# Altium PCB PROC054D_MMWCAS_RF_EVM_ASCII.PcbDoc (part 8 of 13)
Units mil, origin at the board's own origin, x right, y up, seen from the top; angles counter-clockwise.
Board outline 6299.21 x 5370.07 mil, 8 copper layers (L1 TOP, L2 GND, L3 SIGNAL 1, L4 GND, L5 SIGNAL 2, L6 SIGNAL 3, L7 GND, L8 BOTTOM), stack 53.5 mil thick; 775 components, 552 nets, 2648 pads, 7845 vias.
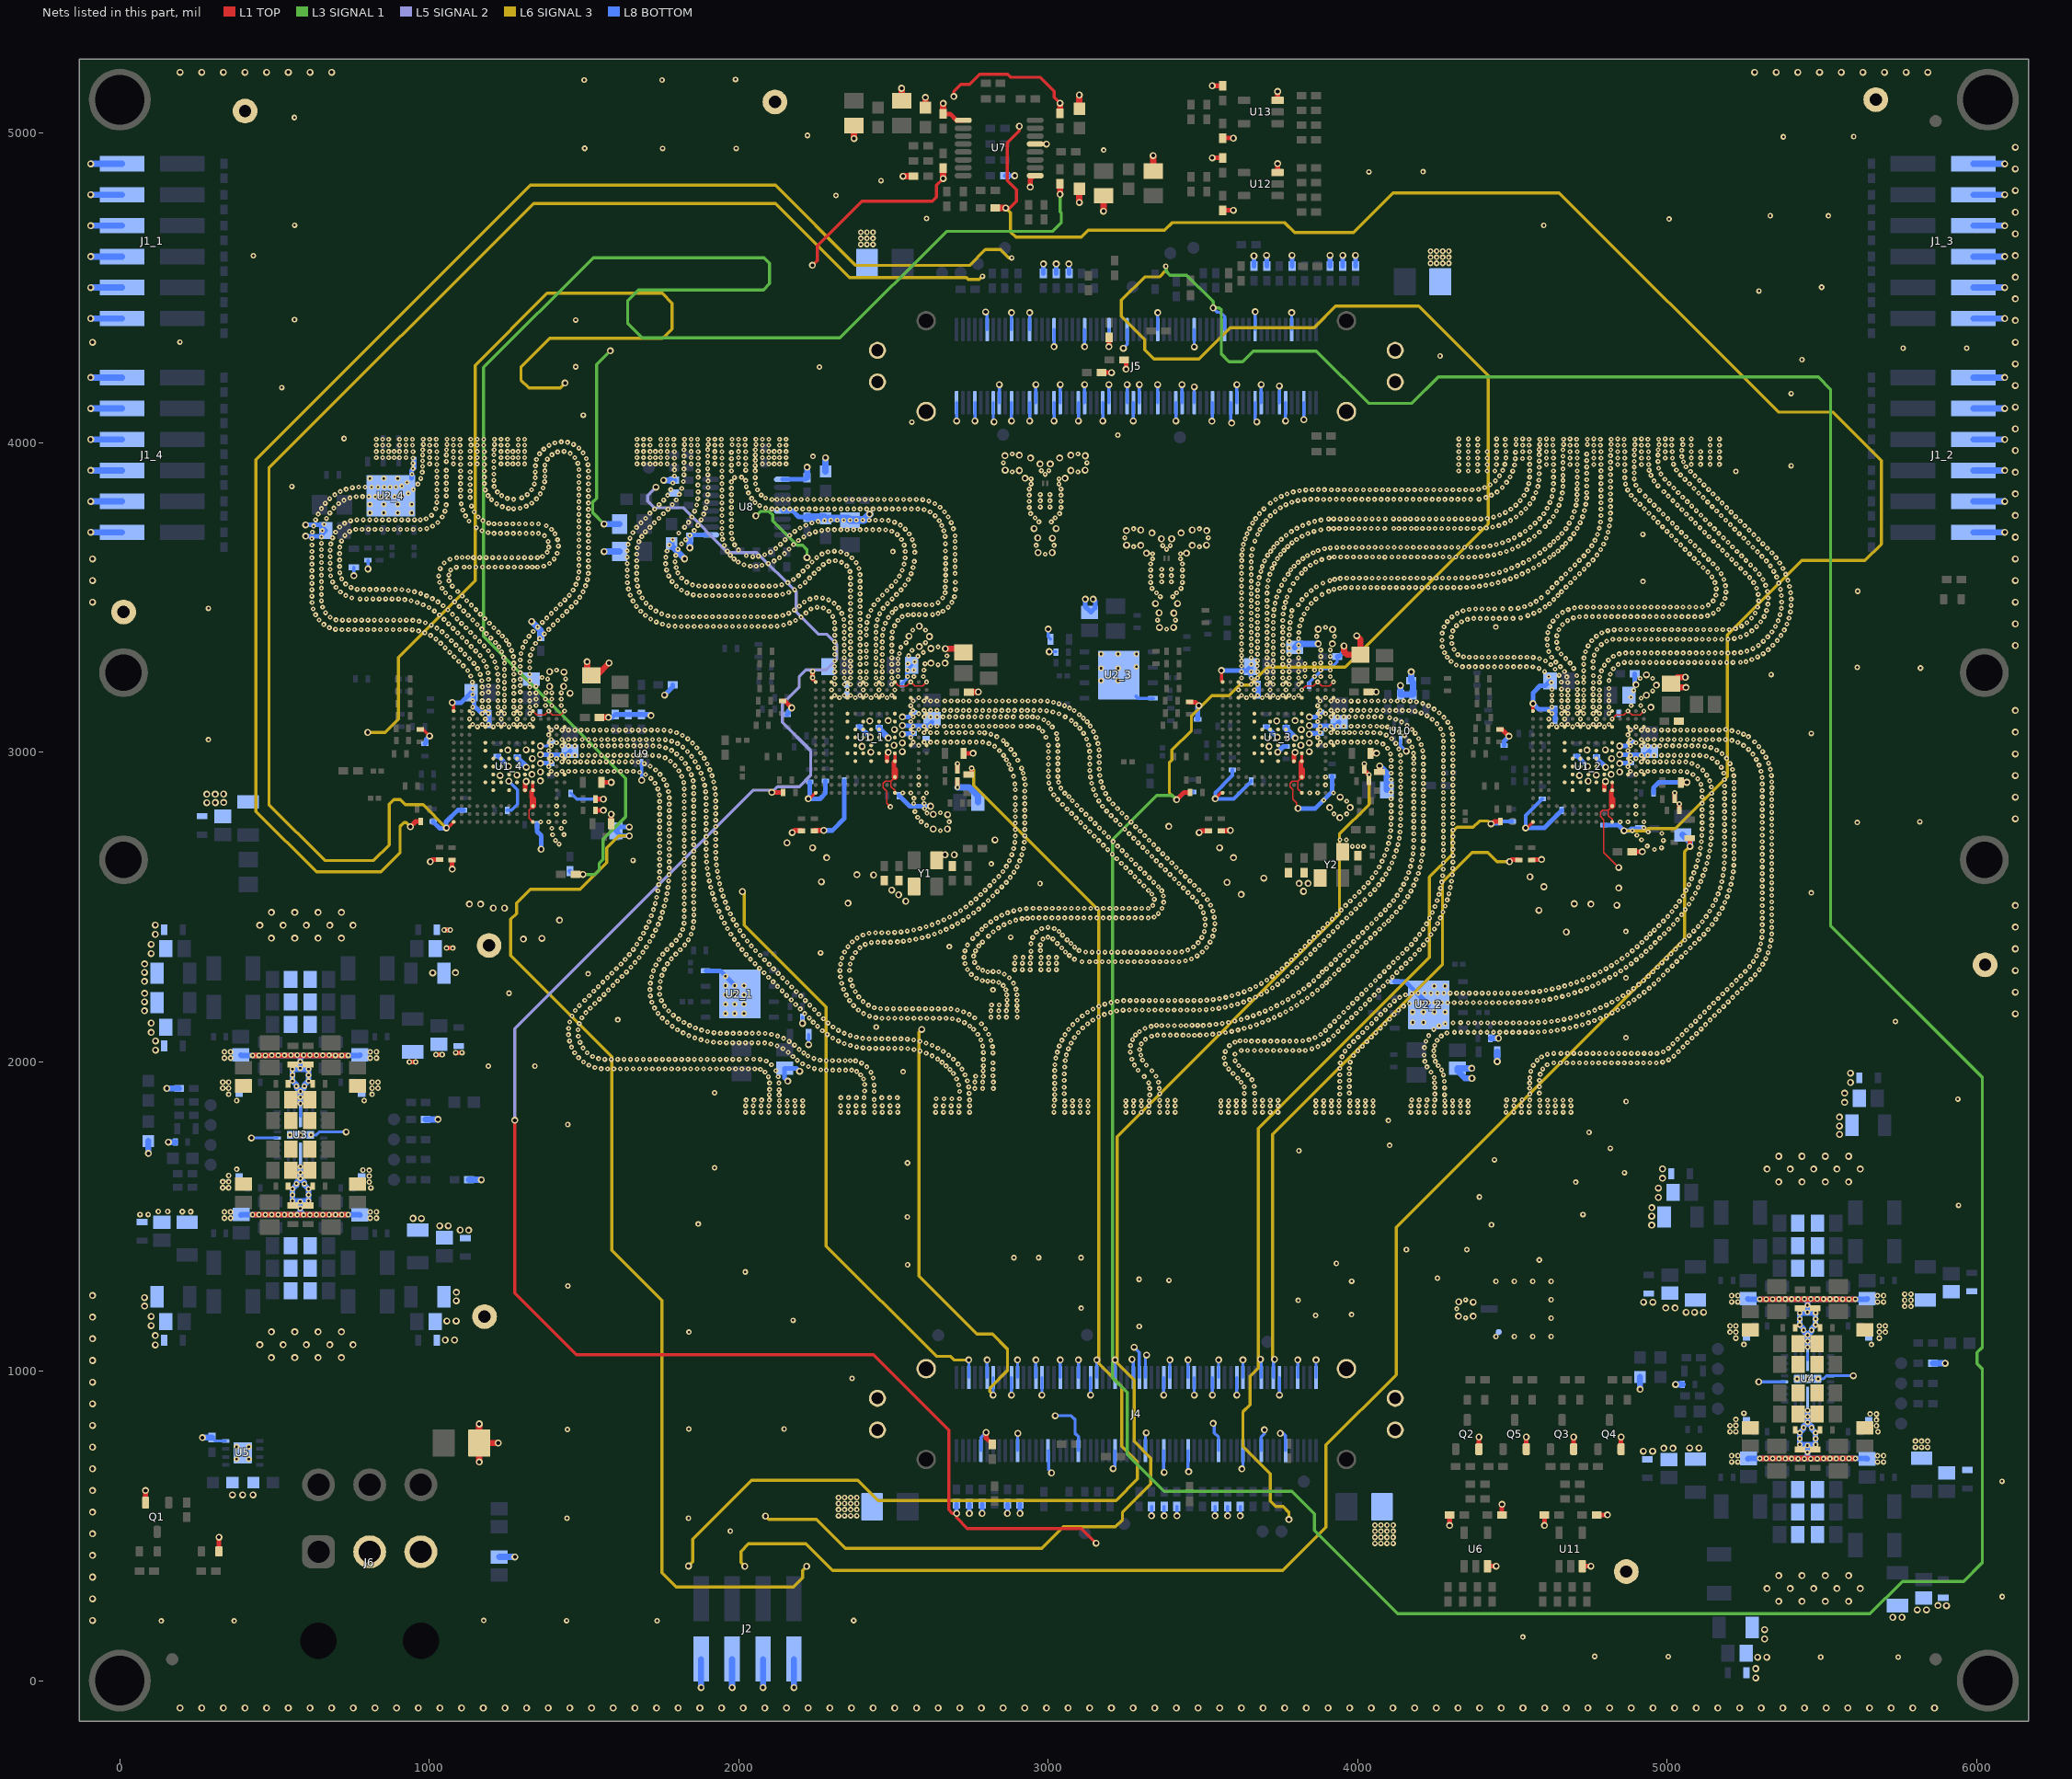
[diagram p14: the nets of this part, all layers, seen from the top]

## Via types
v1: diameter 15.74, hole 5.9, L1 TOP to L2 GND, tented both sides, 5522 vias
v2: diameter 22.4, hole 12.2, L1 TOP to L8 BOTTOM, tented both sides, 1522 vias
v3: diameter 18, hole 8, L1 TOP to L8 BOTTOM, tented both sides, 727 vias
v4: diameter 18, hole 7.87, L1 TOP to L8 BOTTOM, tented top, 50 vias
v5: diameter 24, hole 12, L1 TOP to L8 BOTTOM, tented both sides, 13 vias
v6: diameter 19.68, hole 7.87, L1 TOP to L8 BOTTOM, tented top, 10 vias
v7: diameter 15.74, hole 5.9, L1 TOP to L2 GND, tented top, 1 vias

## Nets (pads, with @x,y where several pads share a name; then routed paths per layer and width w, separated by ;. In a path a pad name is that pad's centre, name@x,y a point inside that pad or via, vN(x,y) a via of type N, cw(c..) or ccw(c..) an arc to the next point about the centre after c; other vN are vias at no path point) (continued)
GND: (continued)
  other v1: 4349.11,1172.28 4320.23,1201.17 4349.11,1230.06 2021.98,1836.34 2046.98,1836.34 2071.98,1836.34 2096.98,1836.34 2131.75,1836.34 2156.75,1836.34 2181.75,1836.34 2206.75,1836.34 2329.18,1836.34 2354.18,1836.34 2379.18,1836.34 2404.18,1836.34 2438.95,1836.34 2463.95,1836.34 2488.95,1836.34 2513.95,1836.34 2636.38,1836.34 2661.38,1836.34 2686.38,1836.34 2711.38,1836.34 2746.15,1836.34 3018.58,1836.34 3053.35,1836.34 3078.35,1836.34 3103.35,1836.34 3128.35,1836.34 3250.78,1836.34 3275.78,1836.34 3300.78,1836.34 3325.78,1836.34 3360.55,1836.34 3385.55,1836.34 3410.55,1836.34 3557.98,1836.34 3582.98,1836.34 3607.98,1836.34 3632.98,1836.34 3667.75,1836.34 3692.75,1836.34 3717.75,1836.34 3742.75,1836.34 3865.18,1836.34 3890.18,1836.34 3915.18,1836.34 3940.18,1836.34 3974.95,1836.34 3999.95,1836.34 4024.95,1836.34 4049.95,1836.34 4172.38,1836.34 4197.38,1836.34 4222.38,1836.34 4247.38,1836.34 4282.15,1836.34 4307.15,1836.34 4332.15,1836.34 4357.15,1836.34 4479.58,1836.34 4504.58,1836.34 4529.58,1836.34 4554.58,1836.34 4589.35,1836.34 4614.35,1836.34 4639.35,1836.34 4664.35,1836.34 4689.35,1836.34 2021.98,1857.01 2046.98,1857.01 2071.98,1857.01 2096.98,1857.01 2131.75,1857.01 2156.75,1857.01 2181.75,1857.01 2206.75,1857.01 2329.18,1857.01 2354.18,1857.01 2379.18,1857.01 2404.18,1857.01 2438.95,1857.01 2463.95,1857.01 2488.95,1857.01 2513.95,1857.01 2636.38,1857.01 2661.38,1857.01 2686.38,1857.01 2711.38,1857.01 2746.15,1857.01 3018.58,1857.01 3053.35,1857.01 3078.35,1857.01 3103.35,1857.01 3128.35,1857.01 3250.78,1857.01 3275.78,1857.01 3300.78,1857.01 3325.78,1857.01 3360.55,1857.01 3385.55,1857.01 3410.55,1857.01 3557.98,1857.01 3582.98,1857.01 3607.98,1857.01 3632.98,1857.01 3667.75,1857.01 3692.75,1857.01 3717.75,1857.01 3742.75,1857.01 3865.18,1857.01 3890.18,1857.01 3915.18,1857.01 3940.18,1857.01 3974.95,1857.01 3999.95,1857.01 4024.95,1857.01 4049.95,1857.01 4172.38,1857.01 4197.38,1857.01 4222.38,1857.01 4247.38,1857.01 4282.15,1857.01 4307.15,1857.01 4332.15,1857.01 4357.15,1857.01 4479.58,1857.01 4504.58,1857.01 4529.58,1857.01 4554.58,1857.01 4589.35,1857.01 4614.35,1857.01 4639.35,1857.01 4664.35,1857.01 4689.35,1857.01 2131.52,1874.05 2156.52,1874.05 2181.52,1874.05 2206.52,1874.05 3053.52,1874.05 3078.52,1874.05 3103.52,1874.05 3128.52,1874.05 3251.02,1873.55 3276.02,1873.55 3301.02,1873.55 3326.02,1873.55 3558.22,1873.55 3583.22,1873.55 3608.22,1873.55 3633.22,1873.55 3865.18,1873.55 3890.18,1873.55 3915.18,1873.55 3940.18,1873.55 3974.95,1873.55 3999.95,1873.55 4024.95,1873.55 4049.95,1873.55 4282.02,1873.55 4307.02,1873.55 4332.02,1873.55 4357.02,1873.55 3360.52,1875.05 3385.52,1875.05 3410.52,1875.05 3667.72,1875.05 3692.72,1875.05 3717.72,1875.05 3742.72,1875.05 4588.44,1875.48 4613.44,1875.48 4638.44,1875.48 4663.44,1875.48 4688.44,1875.48 2024.07,1875.88 2049.07,1875.88 2074.07,1875.88 2099.07,1875.88 2746,1876 3020.66,1875.94 4174.47,1876.36 4199.47,1876.36 4224.47,1876.36 4249.47,1876.36 4481.67,1876.48 4506.67,1876.48 4531.67,1876.48 4556.66,1876.12 2437.5,1877.63 2638.47,1879.93 2663.47,1879.93 2688.47,1879.93 2713.47,1879.94 2330.03,1883.3 2355.03,1883.3 2380.03,1883.3 2405.03,1883.3 2462.42,1883.3 2487.42,1883.3 2512.42,1883.3 2130.38,1892.3 3328.18,1892.34 2099,1893 3021.06,1893.43 4281,1893 3942.42,1895.05 4249.54,1895.11 4556.66,1895.14 3051.74,1896.3 3360.52,1895.72 2744.62,1897.27 3633.86,1897.29 3667.55,1897.85 3973.1,1898.3 4587.34,1898.3 2437.42,1903.97 2713.76,1903.82 2406.82,1905.33 2130.38,1908.97 2099.7,1910.17 3021.06,1911.1 2763.18,1913.14 2788.18,1913.14 2822.95,1913.14 3328.18,1913.01 3359.02,1913.17 4556,1914 4281,1915 3942.42,1915.72 4249.54,1915.78 3051.74,1916.97 2743.14,1917.89 3633.86,1917.96 3973.1,1918.97 4587.34,1918.97 3665.36,1920.35 2437.5,1923.97 2710.7,1924.26 2406.82,1926 3021.06,1929.77 2099.7,1930.84 2130.22,1931 3324.93,1931.36 4556,1931 4248.7,1932 2763.18,1933.81 2788.18,1933.81 2822.95,1933.81 3356.38,1933.67 3623.45,1933.7 3942.42,1936.39 4280.21,1936.44 2738.73,1938.08 3051.74,1939.64 3973.1,1939.64 4587.34,1939.64 3658.45,1941.4 2403.49,1943.7 2703.99,1943.81 2434.75,1946.58 3612.39,1946.91 4556.66,1947.48 4247.84,1948.23 3021.06,1950.44 2095.61,1950.94 2127.65,1951.51 3310.43,1951.87 2765.27,1952.87 2790.26,1952.68 3348.62,1952.83 2821.4,1954.43 2394.01,1957 2731.49,1957.44 3942.42,1957.06 4277.26,1956.9 3645.16,1957.52 4590.1,1959.41 3051.74,1960.31 3973.1,1960.31 2693.86,1961.83 3597.78,1961.52 2085,1966 2426.93,1965.71 4237.29,1966 2381,1968 4559.53,1968.76 2790,1970 3335.32,1970.36 2120.1,1970.75 3021.06,1971.11 3290.7,1971.97 3630.54,1972.14 2283.31,1972.59 2303.98,1972.59 2324.65,1972.59 2345.32,1972.59 2364.91,1972.59 4271.1,1973.15 2264.98,1973.68 2683.06,1974.35 2070,1975 2821.4,1975.1 2721.56,1975.57 3583.16,1976.14 4598.1,1976.05 1555.56,1977.19 1576.22,1976.72 1596.89,1976.72 1617.56,1976.72 1638.23,1976.72 1658.9,1976.72 1679.57,1976.72 1700.24,1976.72 1720.91,1976.72 1741.58,1976.72 1762.25,1976.72 1782.92,1976.72 1803.59,1976.72 1824.26,1976.72 1844.93,1976.72 1865.6,1976.72 1886.27,1976.72 1906.94,1976.72 1927.61,1976.72 1948.28,1976.72 1968.95,1976.72 1989.62,1976.72 2010.29,1976.72 2030.96,1976.72 2051.63,1976.72 2244.66,1977.48 3942.42,1977.73 3973.09,1977.72 1535.23,1980.91 3053.15,1982.35 2413.58,1983.1 4224.21,1982.8 2225.03,1983.96 2670.01,1986 2790.72,1986.61 3615.93,1986.75 4260.61,1987 1515.9,1988.23 3317.5,1988.18 4567.54,1987.81 3278.75,1988.83 2105.84,1989.84 3021.31,1989.95 4612.4,1989.95 2709.14,1992.09 3572.52,1991.76 2206.44,1992.98 2396.94,1995.36 2821.4,1995.77 3944.04,1995.88 4633.62,1995.66 4655.2,1995.66 4675.87,1995.66 4696.54,1995.66 4717.21,1995.66 4737.88,1995.66 4758.55,1995.66 4779.22,1995.66 4799.89,1995.66 4820.56,1995.66 4841.23,1995.66 4861.9,1995.66 4882.57,1995.66 4903.24,1995.66 4923.91,1995.66 4944.58,1995.66 4965.25,1995.67 2657.01,1998 3976.07,1998.17 4985.74,1998.41 1498.2,1998.91 4217.26,2000.65 4251.01,2001 2088.93,2001.72 2377.41,2002.12 2283.31,2003.26 2302.9,2003.27 2323.57,2003.27 2344.24,2003.27 2360.55,2003.27 3055.2,2003.15 3604.35,2002.75 2189.21,2004.4 4580.15,2004.19 2262.71,2004.98 3305.03,2004.67 5005.02,2005.86 1567.44,2007.4 1588.11,2007.4 1608.78,2007.4 1629.45,2007.4 1650.12,2007.4 1670.79,2007.4 1691.46,2007.4 1712.13,2007.4 1732.8,2007.4 1753.47,2007.4 1774.14,2007.4 1794.81,2007.4 1815.48,2007.4 1836.15,2007.4 1856.82,2007.4 1877.49,2007.4 1898.16,2007.4 1918.83,2007.4 1939.5,2007.4 1960.17,2007.4 1980.84,2007.4 2001.51,2007.4 2068.98,2007.15 2693.86,2007.49 2790.72,2007.28 2026,2008 2048,2008 2642.67,2008.19 3270.29,2007.69 1546.88,2009.59 2242.68,2010.08 3024.3,2011.41 3568.31,2012 1482.71,2012.6 4594.2,2015.25 2175.26,2016.4 3949.75,2015.75 1527.49,2016.73 2223.77,2018.43 2624.74,2018.47 4247.01,2018 5022.04,2017.6 3986.68,2019.68 2678.03,2020.79 3299.35,2021.16 4214.86,2021.05 3058.74,2021.71 3603.7,2023.85 4613.14,2023.51 4633.62,2026.34 4657.22,2026.34 4677.89,2026.34 4698.56,2026.34 4719.23,2026.34 4739.9,2026.34 4760.57,2026.34 4781.24,2026.34 4801.91,2026.34 4822.58,2026.34 4843.25,2026.34 4863.92,2026.34 4884.59,2026.34 4905.26,2026.34 4925.93,2026.34 4946.6,2026.34 4967.27,2026.44 2605.93,2027.04 1510.43,2028.42 2210,2028 2821.43,2027.98 1469.84,2028.77 2159.84,2030.18 2790.74,2029.66 3029.35,2030.52 3265.27,2031.1 4987.35,2031.35 5036.78,2032.09 2661.18,2032.75 3572.32,2032.65 2586.41,2033.83 3959.32,2034 4000.63,2034.94 4246.04,2034.83 3623.76,2035.72 3644.43,2035.72 3666.45,2035.72 3687.12,2035.72 3707.79,2035.72 3728.46,2035.72 3749.13,2035.72 3769.8,2035.72 3790.47,2035.72 3811.14,2035.73 3831,2036 2566.34,2038.79 3295.52,2038.86 2195.52,2039.52 3065.38,2041.29 3852,2041.37 2142.65,2041.64 2545.9,2041.86 2421.91,2043.07 2442.58,2043.03 2463.25,2043.03 2483.92,2043.03 2504.59,2043.03 2525.26,2043.02 2643.41,2043.31 5004.38,2043.07 1496.68,2043.85 2401.28,2044.32 4215.96,2045.32 1459.92,2046.91 2380.83,2047.33 5051.39,2046.7 3871.5,2048.24 2819.88,2048.59 2788.43,2050.2 3035.89,2050.12 3972.35,2050.04 4015.24,2049.55 2124,2050.57 2360.71,2052.06 2624.83,2052.37 3266.05,2051.76 3585.84,2051.78 4249.01,2052 2180.09,2053.28 2104.28,2056.76 3300.84,2057.21 2341.07,2058.49 3889.9,2057.65 5018.99,2057.68 2083.88,2060.11 2605.58,2059.9 3074.14,2060.01 1939.21,2061.03 1959.87,2060.72 1980.54,2060.72 2001.21,2060.72 2021.88,2060.72 2042.55,2060.72 2063.22,2060.72 5066.01,2061.32 1486.84,2062.02 1918.6,2062.72 3603.44,2062.62 4029.86,2064.17 2163.16,2065.14 3986.97,2064.66 4220.58,2065.47 1453.24,2066.47 1898.18,2065.88 2585.78,2065.83 3657.1,2066.4 3677.77,2066.4 3698.44,2066.4 3719.11,2066.4 3739.78,2066.4 3760.45,2066.4 3781.12,2066.4 3801.79,2066.4 2322.04,2066.57 3620,2067 3638,2067 3822.45,2066.97 2815.28,2068.74 3044.26,2069.02 3906.88,2069.44 4257,2068.71 2565.56,2070.12 2782.24,2069.92 1878.03,2070.5 3272.88,2071.27 3842.79,2070.66 3314.58,2072.33 5033.61,2072.3 2545.06,2072.75 2421.06,2073.77 2441.73,2073.71 2462.4,2073.71 2483.07,2073.71 2503.74,2073.71 2524.41,2073.71 2144.96,2074.93 2400.44,2075.29 2303.77,2076.25 5080.62,2075.93 1858.27,2076.55 3084.89,2077.66 3862.23,2077.69 2380.08,2078.81 4001.59,2079.28 4044.47,2078.78 1481.39,2081.96 3334.01,2082 2125.74,2082.54 3922.15,2083.36 4270.25,2082.71 1838.98,2084 2360.15,2084.29 4229.56,2084.08 3353.04,2085.35 3373.71,2085.35 3394.38,2085.35 3415.05,2085.35 3435.72,2085.35 3454.01,2085 3473,2085 3282.01,2086 3490.7,2085.69 1449.99,2086.88 2286.4,2087.44 3054.37,2087.05 3511.34,2086.72 5048.23,2086.92 2105.76,2087.84 2772.38,2088.09 2807.72,2087.98 3531.94,2088.43 3880.22,2087.86 1961.29,2091.4 1981.96,2091.4 2002.63,2091.4 2023.3,2091.4 2043.97,2091.4 2064.64,2091.4 2085.3,2090.77 3552.47,2090.83 5095.24,2090.55 1940.62,2091.67 2340.85,2091.7 4288.66,2092.25 1820.29,2092.81 1920.03,2093.45 4059.09,2093.4 3097.52,2094.03 3572.91,2093.91 4016.2,2093.89 4313.03,2094.66 4333.7,2094.66 4356.32,2094.66 4376.99,2094.66 4397.66,2094.66 4418.33,2094.66 4439,2094.66 4459.67,2094.66 4480.34,2094.66 4501.01,2094.66 4521.68,2094.66 4542.35,2094.66 4563.02,2094.7 4583.68,2095.29 1899.64,2096.88 3295.16,2096.61 4604.31,2096.61 3593.24,2097.66 3936.77,2097.98 4624.88,2098.64 2270.04,2100.07 2322.36,2100.94 3896.27,2100.89 4645.36,2101.38 1879.6,2101.92 3613.43,2102.08 5062.84,2101.53 1480.64,2102.62 1802.27,2102.94 2759.24,2104.04 3066.14,2104.04 4246.18,2103.76 4665.74,2104.84 5109.86,2105.17 2797.38,2105.88 3312.89,2107.23 3633.46,2107.18 1450.28,2107.55 4073.71,2108.02 1860.02,2108.56 3111.86,2108.91 4030.82,2108.51 4685.99,2109 2304.87,2111.95 3653.31,2112.93 3951.39,2112.6 1785.02,2114.33 2254.81,2114.05 3332.49,2113.8 4706.08,2113.86 2746.95,2114.8 3910.89,2115.49 3366.68,2116.03 3387.35,2116.03 3408.02,2116.03 3428.69,2116.03 3446,2116 4263.19,2115.51 5077.46,2116.15 1841.04,2116.74 3350.01,2117 3465.01,2117 3483,2117 3500.92,2116.84 3521.54,2118.27 3672.96,2119.34 4725.99,2119.42 3079.47,2119.84 3542.1,2120.43 5124.47,2119.78 2784.49,2122.04 3127.61,2122.3 1484.61,2122.9 3562.57,2123.31 4045.43,2123.12 4088.32,2122.63 4282.51,2122.85 2288.53,2124.61 4308.2,2125.34 4357.74,2125.34 4378.41,2125.34 4399.08,2125.34 4419.75,2125.34 4440.42,2125.34 4461.09,2125.34 4481.76,2125.34 4502.43,2125.34 4523.1,2125.34 4543.77,2125.34 4564.44,2125.4 1822.78,2126.42 2729.53,2125.93 3692.39,2126.4 4333,2126 4585.1,2126.08 4745.69,2125.67 1768.63,2126.93 2241,2127 3582.93,2126.89 3966,2127.21 1454.09,2127.86 4605.72,2127.52 3925.51,2130.11 4626.27,2129.71 3603.14,2131.19 5092.07,2130.76 4646.73,2132.65 4765.16,2132.6 2710.5,2134 3094.2,2134.34 3144.58,2134.1 3711.57,2134.1 5139.09,2134.4 3623.2,2136.18 4667.07,2136.35 4102.94,2137.25 1805.35,2137.53 4060.05,2137.74 2273.47,2138.77 2690.39,2138.77 2463.06,2140.14 2483.73,2140.14 2504.4,2140.14 2525.07,2140.14 2545.74,2140.14 2566.41,2140.14 2587.08,2140.14 2607.75,2140.14 2628.42,2140.14 2649.09,2140.14 2669.76,2140.14 4784.38,2140.21 1753.19,2140.67 2227.99,2140.87 2762.5,2141.46 4687.26,2140.78 1493.11,2141.74 2442.46,2141.83 3643.07,2141.88 3730.49,2142.43 3980.62,2141.83 2814.98,2143.54 2839.98,2143.54 2864.98,2143.54 2899.75,2143.54 3162.61,2144.21 3940.13,2144.73 5106.69,2145.38 4707.27,2145.96 1461.3,2147.23 2422.45,2146.98 3110.11,2147.53 3662.73,2148.26 4803.33,2148.48 5153.7,2149.01 1788.87,2150.01 3749.12,2151.39 2744.99,2152.46 4074.66,2152.35 4117.55,2151.86 4727.08,2151.86 2258.85,2153.39 3181.53,2152.54 2213.37,2155.49 2403.58,2155.44 3682.15,2155.33 1739.12,2155.81 3995.23,2156.44 4821.97,2157.4 1505.68,2158.15 4746.66,2158.49 3127.08,2159.33 3201.16,2159 3954.74,2159.34 5121.31,2160 2726.17,2161 3767.44,2160.96 3701.32,2163.07 1773.44,2163.76 2814.98,2164.21 2839.98,2164.21 2864.98,2164.21 2899.75,2164.21 3221.33,2163.53 5168.32,2163.63 1471.72,2165.09 3241.84,2166.1 4132.17,2166.48 4765.98,2165.83 2386.42,2166.96 2706.38,2166.95 3262.5,2166.72 3283.17,2166.72 3303.84,2166.72 3324.51,2166.72 3345.18,2166.72 3365.85,2166.72 3386.52,2166.72 3407.19,2166.72 3427.86,2166.72 3448.53,2166.72 3469.2,2166.72 3489.87,2166.79 4089.28,2166.97 4840.3,2166.96 2244.24,2168 3510.52,2167.62 3531.12,2169.41 2198.76,2170.1 2685.96,2170.19 3144.99,2169.66 2458.6,2170.91 2479.27,2170.82 2499.94,2170.82 2520.61,2170.82 2541.28,2170.82 2561.95,2170.82 2582.62,2170.82 2603.29,2170.82 2623.96,2170.82 2644.63,2170.82 2665.3,2170.82 3720.2,2171.48 3785.44,2171.13 4009.85,2171.06 3551.6,2172.15 1520.29,2172.78 1727.75,2173.07 2438.19,2174.18 3969.36,2173.96 4785.02,2173.87 5135.92,2174.61 3571.94,2175.83 4858.28,2177.16 3163.7,2178.44 5182.94,2178.25 1759.85,2179.34 4148.56,2179.08 3592.09,2180.45 1485.03,2180.9 2371.41,2181.17 2899,2181 3738.78,2180.54 2419.04,2181.95 2867.06,2182.35 3803.08,2181.89 4103.9,2181.59 2229.62,2182.62 2817.07,2183.08 2842.07,2183.08 4803.75,2182.61 2184.14,2184.72 3183.09,2185.61 3612,2186 4024.46,2185.68 1534.9,2187.39 4167.52,2187.3 4875.89,2187.97 3983.97,2188.57 5150.54,2189.23 3757.03,2190.24 3203.01,2191.11 4187.92,2190.65 4208.59,2190.72 4229.26,2190.72 4249.93,2190.72 4270.6,2190.72 4291.27,2190.72 4311.94,2190.72 4332.61,2190.72 4353.28,2190.72 4373.95,2190.72 4394.62,2190.72 4415.29,2190.72 4435.96,2190.72 4456.63,2190.72 4477.3,2190.72 4497.97,2190.72 4518.63,2190.9 1719.48,2192.01 3631.63,2192.47 4539.29,2191.72 4822.15,2192.03 3820.36,2193.24 4559.9,2193.21 5197.55,2192.86 2402.13,2193.84 3223.33,2194.91 4580.46,2195.36 4118.94,2195.76 2215.01,2197.23 2358.42,2197.25 3243.9,2196.99 3264.56,2197.4 3285.23,2197.4 3305.9,2197.4 3326.57,2197.4 3347.24,2197.4 3367.91,2197.4 3388.58,2197.4 3409.25,2197.4 3429.92,2197.4 3450.59,2197.4 3471.26,2197.4 1502.33,2198.2 1750.1,2197.56 2899.01,2198 3491.93,2197.51 4600.94,2198.18 2169.53,2199.33 2867,2199 3512.58,2198.51 4893.12,2199.39 3650.95,2199.83 4039.08,2200.29 3533.15,2200.53 3774.94,2200.57 1549.52,2202.01 4621.31,2201.66 4840.2,2202.11 3998.59,2203.19 3553.59,2203.57 5165.15,2203.84 3837.26,2205.15 4641.57,2205.8 4136.1,2207.28 5212.17,2207.48 3573.86,2207.62 3669.9,2208.08 2388.01,2208.93 4661.67,2210.59 4909.94,2211.41 1714.54,2212.09 2200.39,2211.85 3792.47,2211.52 1516.94,2212.81 3593.9,2212.68 4857.86,2212.86 2154.91,2213.95 2347.49,2214.79 4053.69,2214.91 2866,2216 2899.01,2216 4155.05,2215.54 4681.62,2216.02 1564.14,2216.62 3688.45,2217.21 1744.74,2217.53 3853.74,2217.61 4013.21,2217.81 5179.77,2218.46 3613.67,2218.73 4175.17,2220.27 4195.81,2221.4 4216.48,2221.4 4237.15,2221.4 4257.82,2221.4 4278.49,2221.4 4299.16,2221.4 4319.83,2221.4 4340.5,2221.4 4361.17,2221.4 4381.84,2221.4 4402.51,2221.4 4423.18,2221.4 4443.85,2221.4 4464.52,2221.4 4485.19,2221.4 4505.86,2221.4 4526.53,2221.83 4701.37,2222.1 5226.78,2222.09 3809.6,2223.08 4547.17,2222.96 4875.11,2224.24 4926.33,2224 4567.76,2224.79 2185.77,2226.47 2376.36,2226.01 3633.11,2225.75 1531.56,2227.43 3706.55,2227.17 4588.27,2227.32 2140.29,2228.57 4720.92,2228.82 4068.31,2229.53 1578.75,2231.24 3869.81,2230.61 4608.69,2230.55 2863,2232 4027.82,2232.42 1713.09,2232.7 5194.39,2233.08 2338.8,2233.55 2895.57,2234.14 3652.18,2233.72 4628.98,2234.46 3826.33,2235.23 4740.24,2236.16 4891.93,2236.25 4942.28,2237.15 5241.4,2236.71 1743.92,2238.18 3724.18,2237.97 4649.13,2239.07 2171.16,2241.08 1546.18,2242.04 2125.68,2243.18 3670.83,2242.64 3885.44,2244.15 4082.93,2244.14 4669.12,2244.35 4759.31,2244.13 2367.4,2244.63 1593.37,2245.85 2854.56,2246.1 4042.44,2247.04 3842.61,2247.96 5209,2247.69 4908.31,2248.86 3741.29,2249.57 4688.91,2250.32 4957.75,2250.86 5256.02,2251.33 3689.01,2252.47 1714.46,2253.33 2332.48,2253.22 2887.81,2253.3 4778.12,2252.71 3899,2255 2156.54,2255.7 2840.01,2256 1560.79,2256.66 4708.49,2256.95 2111.06,2257.8 1746.3,2258.71 2822,2259 4097.54,2258.76 1607.99,2260.47 2804.33,2259.66 3858.45,2261.24 2787.32,2261.62 3757.84,2261.95 4057.05,2261.65 4796.64,2261.89 4924.21,2262.07 5223.62,2262.31 3706.68,2263.19 2361.34,2264.4 4727.83,2264.24 4972.75,2265.09 5270.63,2265.94 3910.37,2267.74 2768.04,2269.07 2141.93,2270.31 1575.41,2271.27 2874.56,2270.74 2096.45,2272.41 4746.91,2272.19 4814.85,2271.67 4112.16,2273.37 1718.14,2273.67 2328.62,2273.53 1622.6,2275.08 3723.8,2274.78 3773.8,2275.09 3873.81,2275.07 4071.67,2276.27 4939.61,2275.85 5238.23,2276.92 1751.43,2278.74 4987.38,2279.69 4765.71,2280.77 5284.96,2280.84 2751.54,2281.52 3924.99,2282.36 4832.74,2282.03 2857.86,2282.92 2127.31,2284.93 1590.03,2285.89 2081.83,2287.03 3740.32,2287.2 4126.77,2287.99 3789.14,2288.94 3886,2289 1637.22,2289.7 2804.33,2290.34 2840,2290 4784.21,2290 4954.5,2290.19 2822,2291 4086.29,2290.89 5252.85,2291.54 1724.08,2293.47 4850.28,2292.96 2327.28,2294.16 5001.99,2294.3 2357.96,2294.69 2788.45,2295.1 2891.78,2297.14 2916.78,2297.14 2941.78,2297.14 2976.55,2297.14 3001.55,2297.14 3026.55,2297.14 3939.6,2296.97 5297.88,2296.97 1759.21,2297.89 2739.11,2297.67 2112.69,2299.55 3756.2,2300.43 3899.32,2300.07 4802.38,2299.84 1604.64,2300.5 2067.22,2301.64 2773.23,2303.22 3803.87,2303.44 4141.39,2302.61 4867.46,2304.46 1651.48,2304.66 4100.9,2305.5 4969.12,2304.81 5266.77,2306.81 5016.61,2308.92 4820.21,2310.3 1732.2,2312.47 3954.22,2311.59 2098.08,2314.16 3771.41,2314.43 5309.17,2314.29 1619.23,2315.15 2328.87,2314.77 2360.16,2315.24 3913.94,2314.69 1769.5,2315.81 2052.6,2316.26 2731.15,2316.74 4156,2317.22 4884.25,2316.5 2891.78,2317.81 2916.78,2317.81 2941.78,2317.81 2976.55,2317.81 3001.55,2317.81 3026.55,2317.81 3818.49,2318.06 4983.73,2319.42 1665.08,2320.22 4115.52,2320.12 2762.08,2320.62 4837.67,2321.36 3109,2323 3133.47,2322.66 3154.14,2322.66 3174.81,2322.66 3195.48,2322.66 3216.15,2322.66 3236.82,2322.66 3257.49,2322.66 3278.16,2322.66 3298.83,2322.66 3319.5,2322.66 3340.17,2322.66 3360.84,2322.66 3381.51,2322.66 3402.18,2322.66 3422.85,2322.83 5031.22,2323.53 5278.89,2323.56 3443.32,2325.67 3968.83,2326.2 2083.46,2328.78 3786.06,2329.01 3928.56,2329.31 4900.65,2329.08 1633.29,2330.3 1742.42,2330.44 2038.04,2330.94 3085.17,2330.57 1782.12,2332.19 3463.02,2331.92 4170.62,2331.84 3833.1,2332.67 4854.75,2333 5318.74,2332.61 4998.35,2334.04 2333.76,2334.85 2366.67,2334.86 4130.13,2334.73 1677.99,2336.37 2728.4,2337.23 2893.87,2336.68 2918.87,2336.68 2943.87,2336.68 2976.72,2336.68 3001.72,2336.68 3026.72,2336.68 5045.84,2338.15 2759.22,2341.1 3481.39,2341.4 3983.45,2340.82 4916.64,2342.19 5289.03,2341.57 2068.85,2343.39 3068.53,2342.83 3800.68,2343.63 3943.17,2343.92 4871.42,2345.22 1646.63,2346.09 2024,2346.1 4185.23,2346.46 1754.58,2347.15 1796.53,2347.01 3847.72,2347.29 4144.75,2349.35 5012.96,2348.65 5326.48,2351.78 1690.18,2353.06 2377.2,2352.65 3142.09,2353.34 3162.76,2353.34 3183.43,2353.34 3204.1,2353.34 3224.77,2353.34 3245.44,2353.34 3266.11,2353.34 3286.78,2353.34 3307.45,2353.34 3328.12,2353.34 3348.79,2353.34 3369.46,2353.34 3390.13,2353.34 3410.8,2353.34 5060.46,2352.77 2341.84,2353.88 3055.55,2354.15 3121,2354 3497.89,2353.85 3431.43,2354.59 3998.07,2355.44 2944.28,2356.3 4932.19,2355.8 2054.45,2358.22 2731.07,2357.73 2765,2358 3815.29,2358.24 4887.67,2358 2974.96,2359.02 3100,2359 3957.79,2358.54 3451.31,2360.27 5297.07,2360.62 1659.22,2362.49 